# Altium PCB STB_SensorBoard.PcbDoc (part 1 of 4)
Units mm, origin at the board's own origin, x right, y up, seen from the top; angles counter-clockwise.
Board outline 370 x 359 mm, 2 copper layers (Top Layer, Bottom Layer), stack 1.569 mm thick; 224 components, 98 nets, 746 pads, 3353 vias.
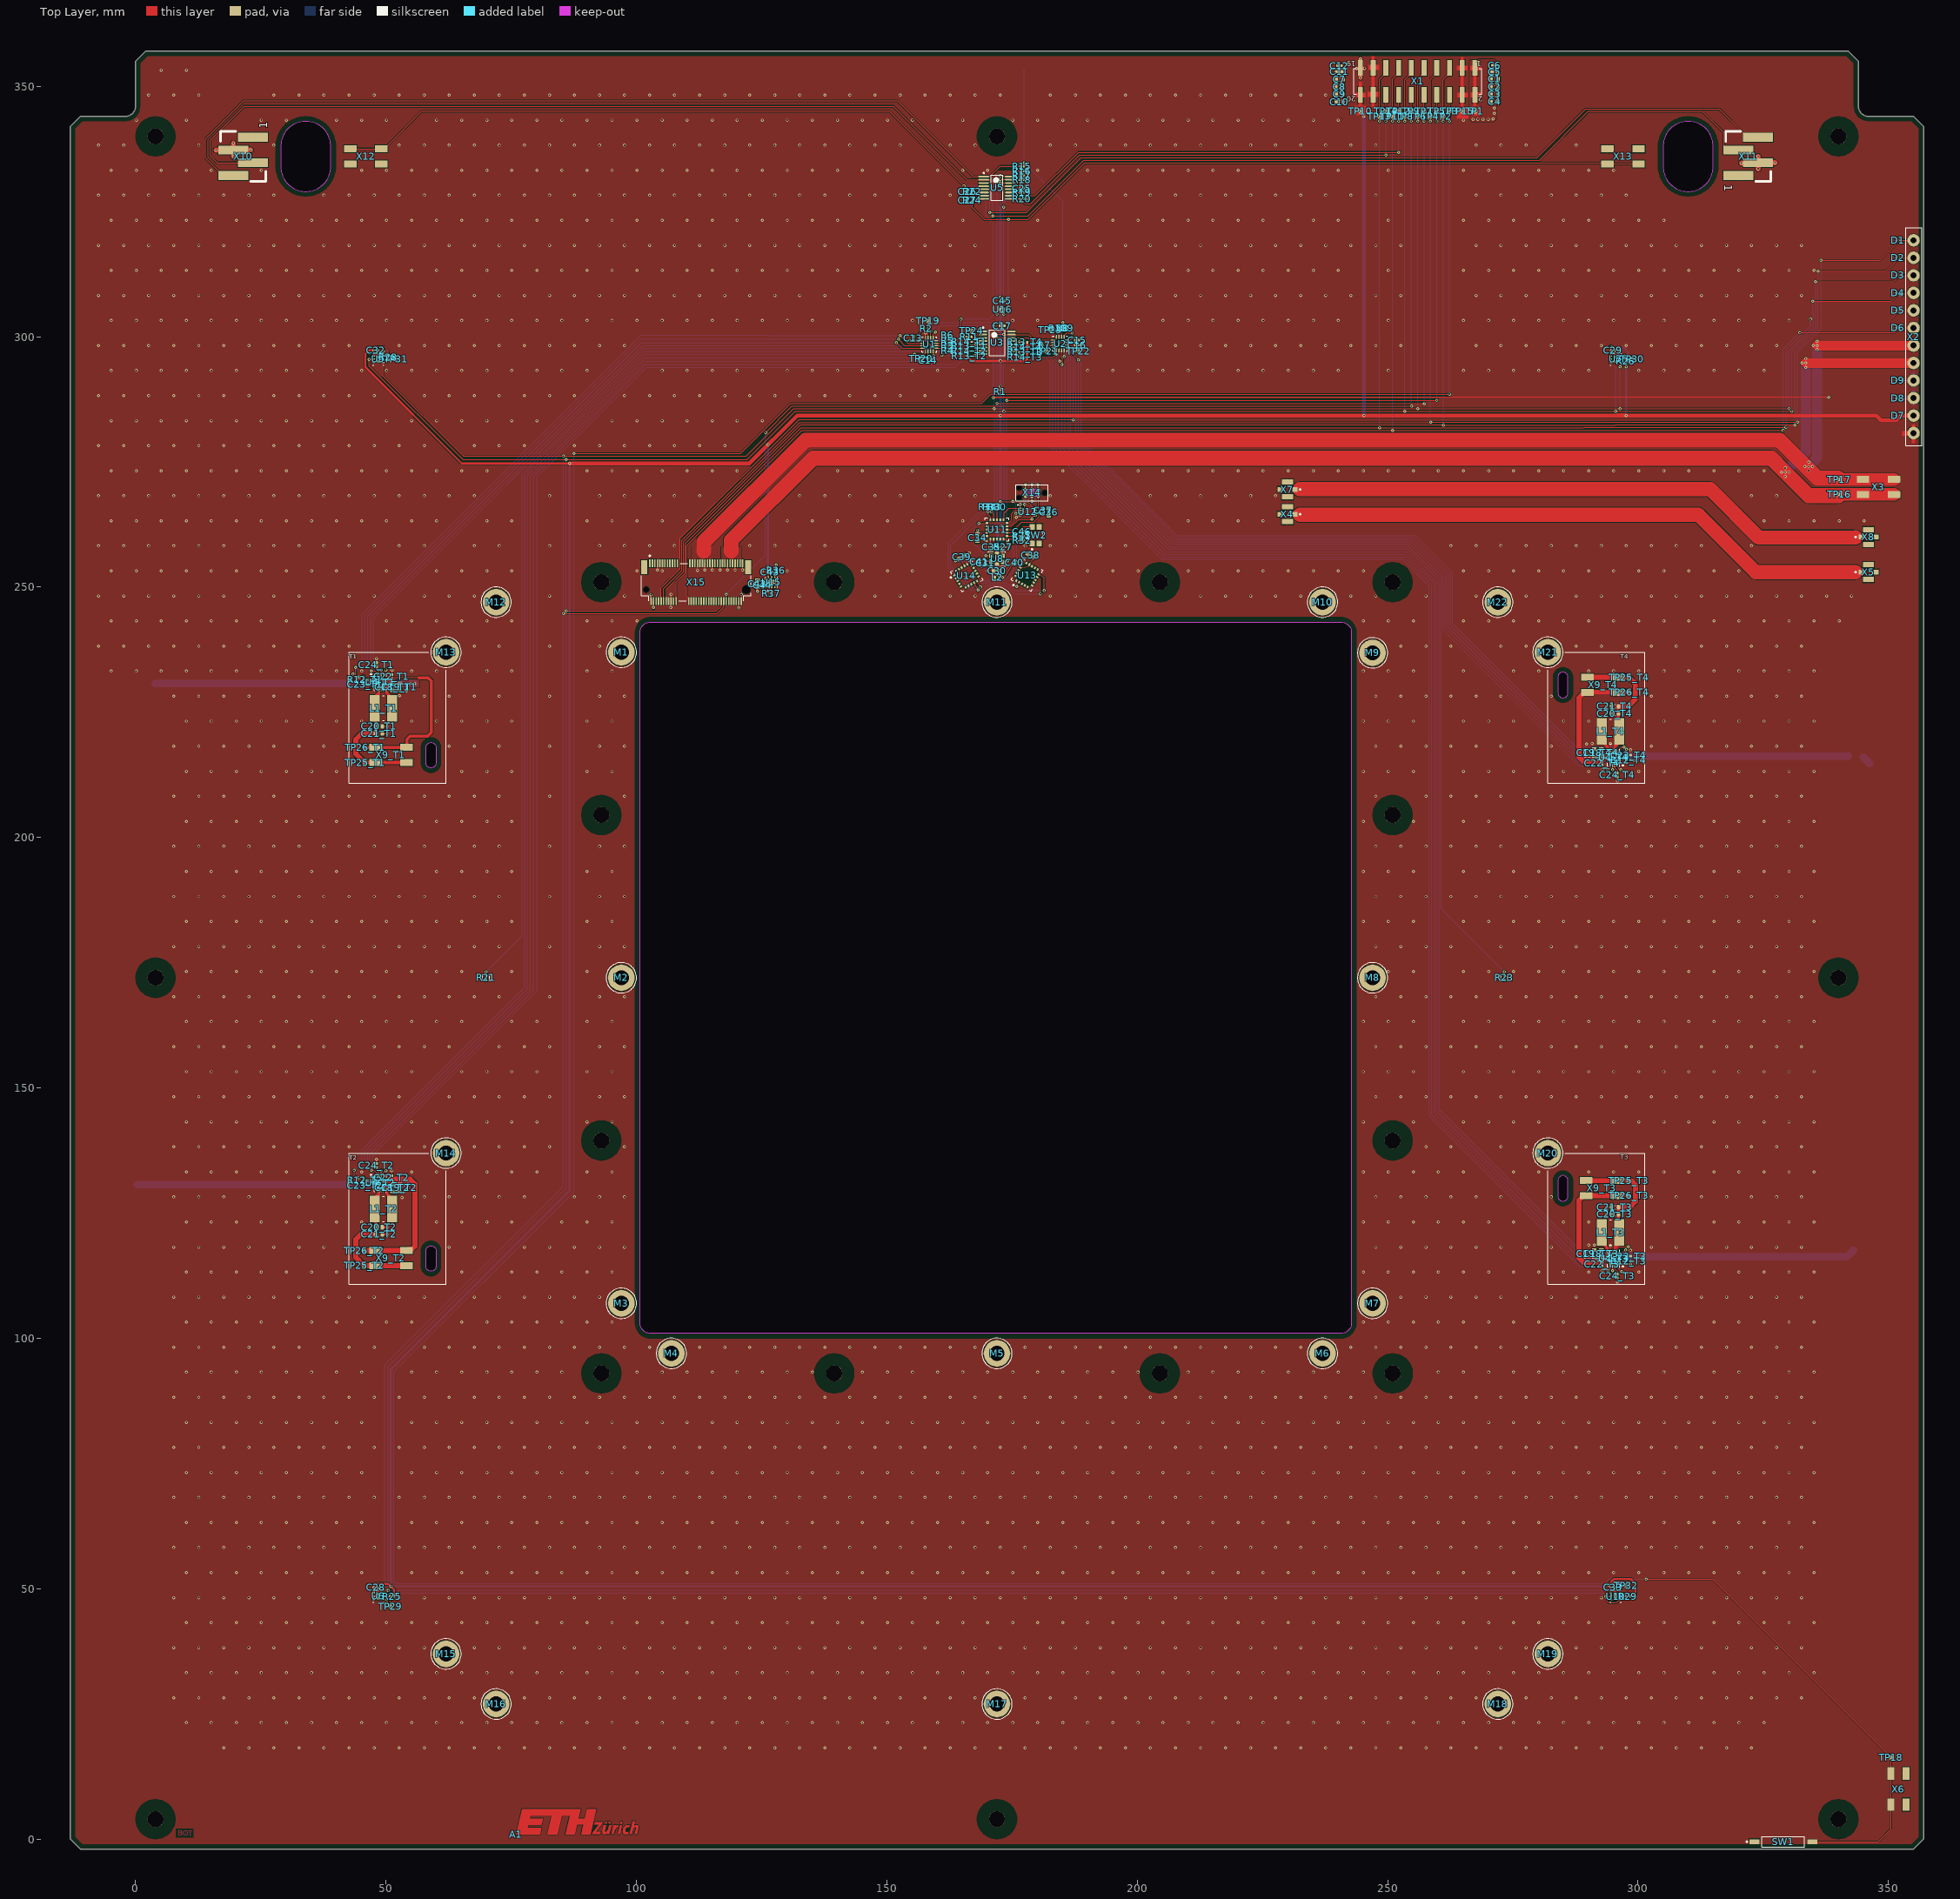
[diagram p0: Top Layer view]
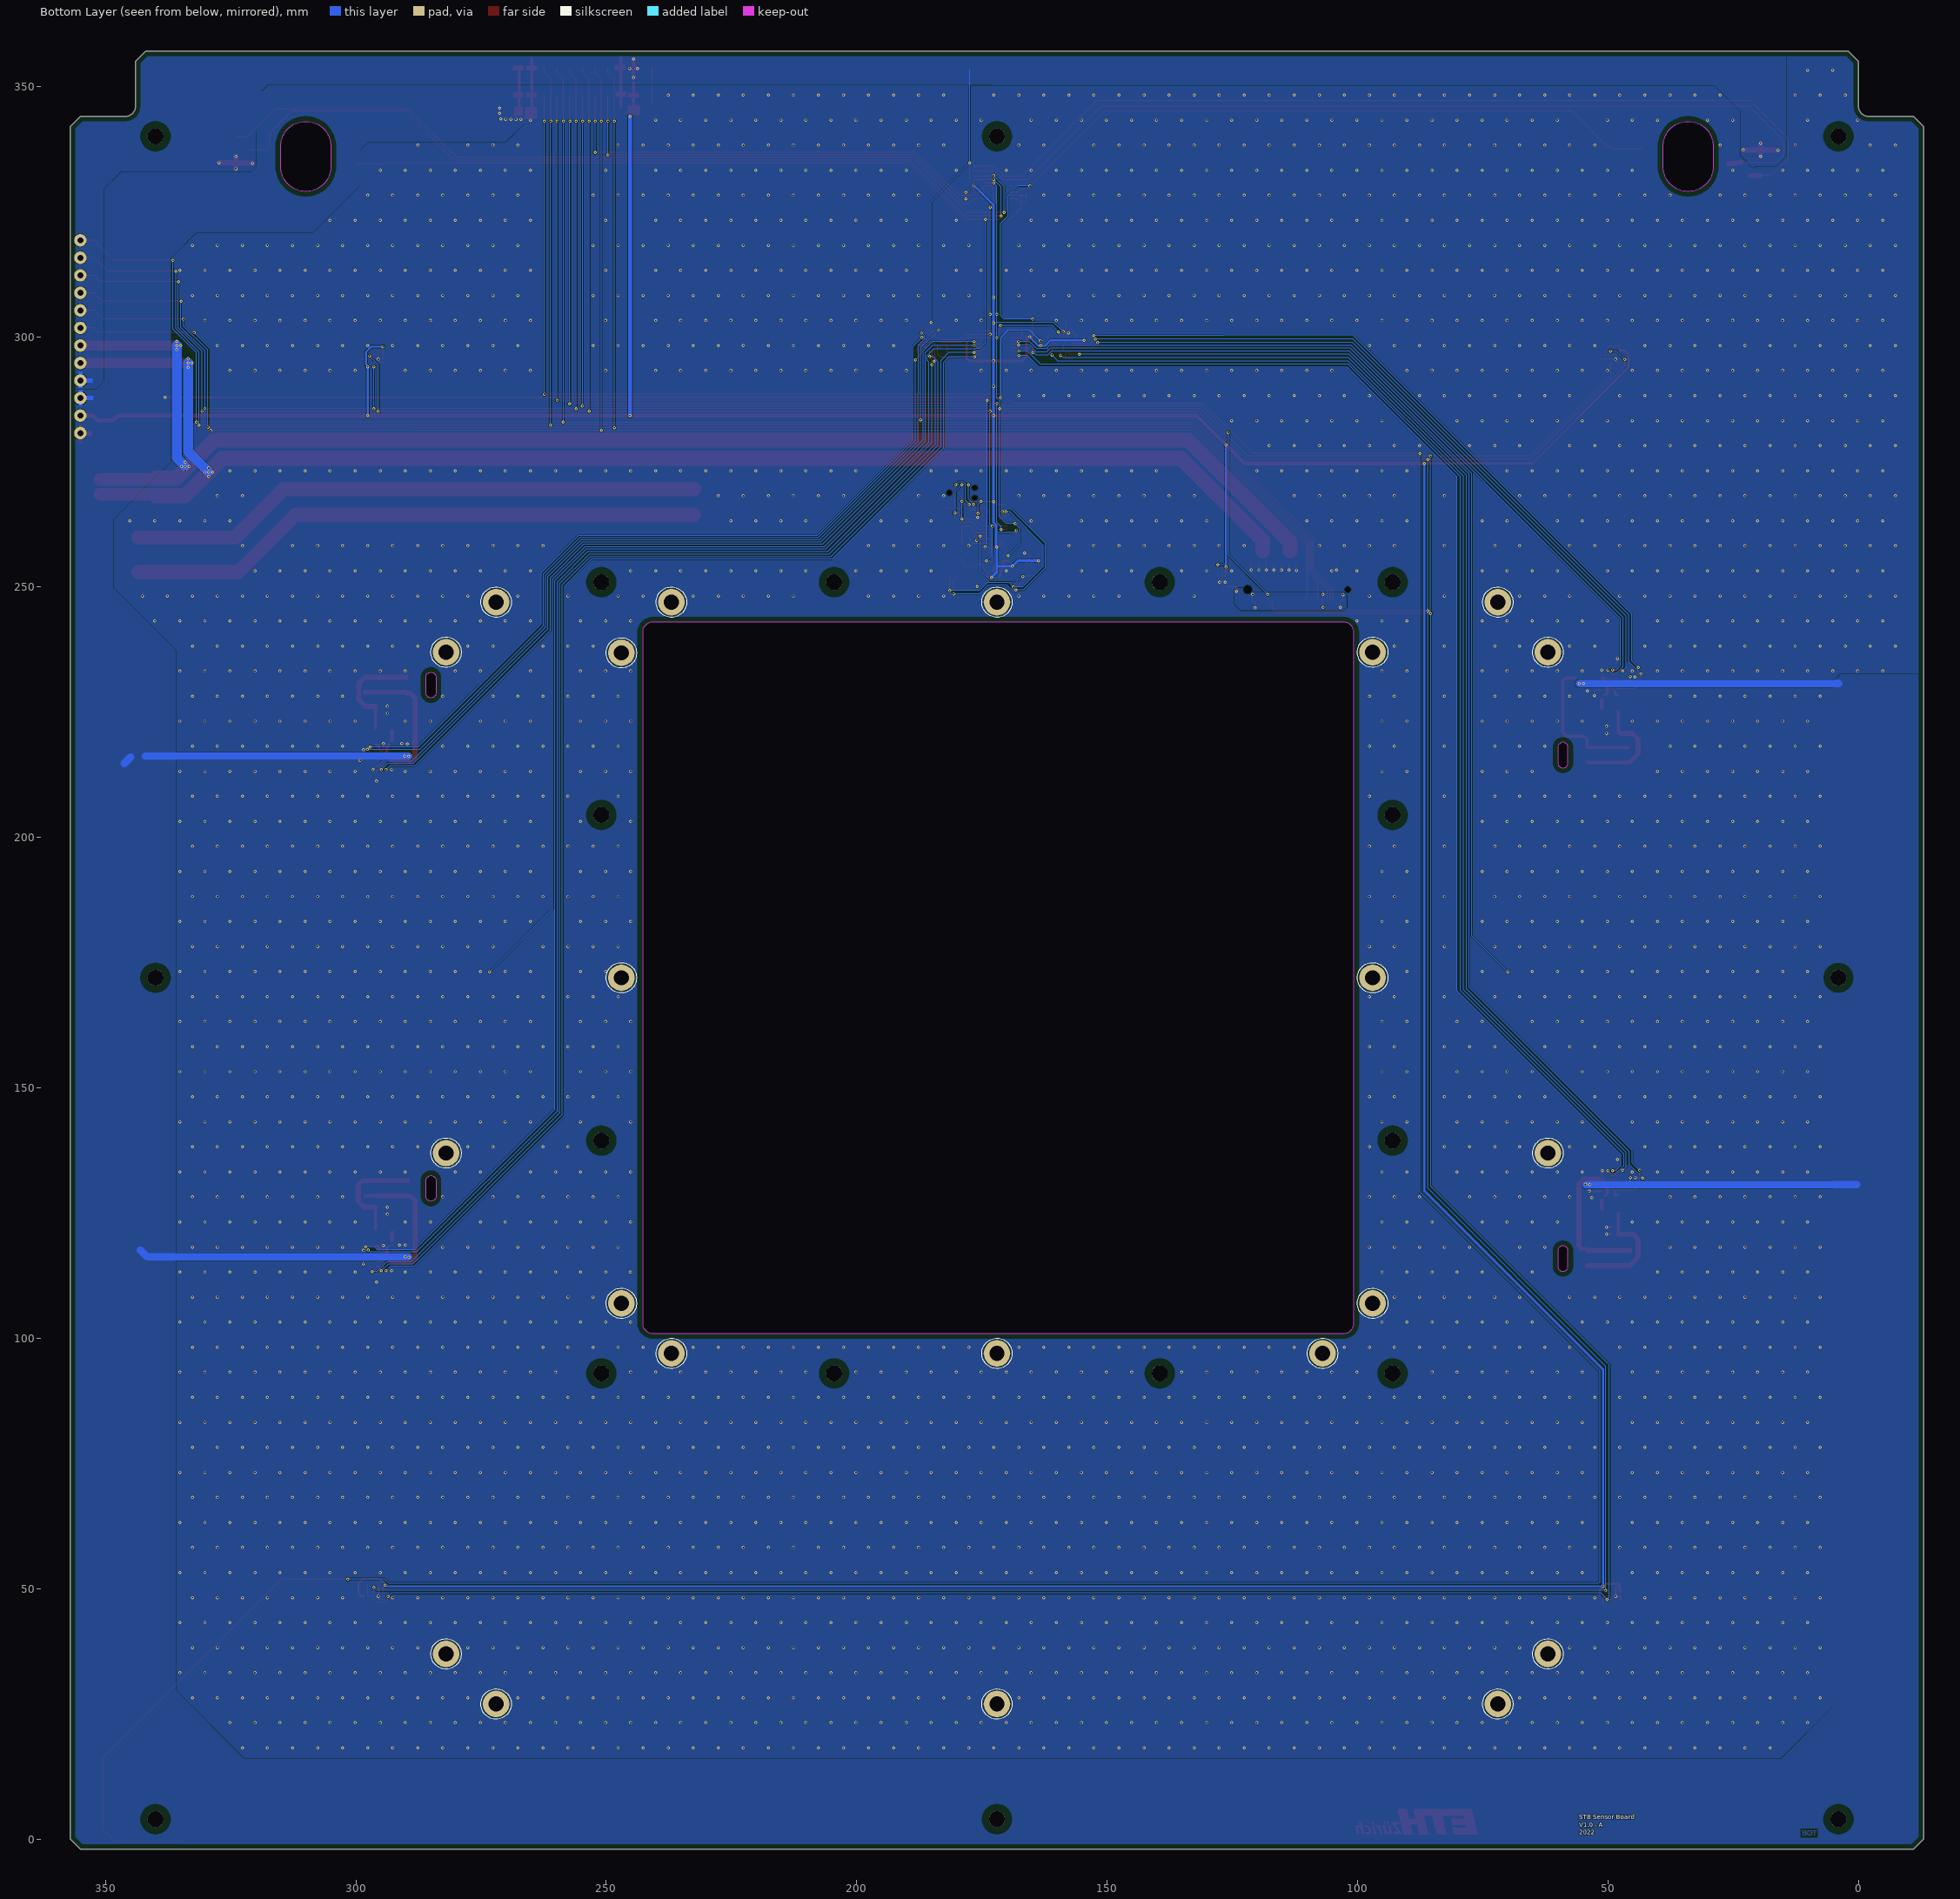
[diagram p1: Bottom Layer view, seen from below]

## Layer stack, top to bottom
Top Solder: solder mask 0.01, SM-001, Dk 4
Top Layer: signal copper 0.035
Dielectric 1: core 1.4986, Core-043, Dk 4.3
Bottom Layer: signal copper 0.035
Bottom Solder: solder mask 0.01, SM-001, Dk 4

## Board outline
-13,0 -13,333 -13,342 -11,344 -2,344 ccw(c-2,346) 0,346 0,355 2,357 342,357 344,355 344,346 ccw(c346,346) 346,344 355,344 357,342 357,331 357,13 357,0 355,-2 -11,-2
cut-out: 59,213.9 cw(c59,214.9) 58,214.9 58,218 cw(c59,218) 59,219 cw(c59,218) 60,218 60,214.9 cw(c59,214.9)
cut-out: 59,113.4 cw(c59,114.4) 58,114.4 58,117.5 cw(c59,117.5) 59,118.5 cw(c59,117.5) 60,117.5 60,114.4 cw(c59,114.4)
cut-out: 284,128.4 ccw(c285,128.4) 285,127.4 ccw(c285,128.4) 286,128.4 286,131.5 ccw(c285,131.5) 285,132.5 ccw(c285,131.5) 284,131.5
cut-out: 284,228.9 ccw(c285,228.9) 285,227.9 ccw(c285,228.9) 286,228.9 286,232 ccw(c285,232) 285,233 ccw(c285,232) 284,232
cut-out: 29,334 ccw(c34,334) 39,334 39,338 ccw(c34,338) 29,338
cut-out: 305,334 ccw(c310,334) 315,334 315,338 ccw(c310,338) 305,338
cut-out: 100.75,103 100.75,241 cw(c102.75,241) 102.75,243 240.75,243 cw(c240.75,241) 242.75,241 242.75,103 cw(c240.75,103) 240.75,101 102.75,101 cw(c102.75,103)

## Design rules (kind name [scope] priority, off if disabled: settings)
BoardOutlineClearance [All] p1: gap=1 ignorepadtopadclearanceinfootprint=FALSE
Clearance [All] p1: gap=0.125 ignorepadtopadclearanceinfootprint=FALSE
ComponentClearance [All] p1: gap=0.254 collisioncheckmode=3 verticalgap=2540 showdistances=FALSE
HoleSize [All] p1: absolutevalues=TRUE maxlimit=4 minlimit=0.025 maxpercent=80.000 minpercent=20.000
HoleToHoleClearance [All] p1: gap=0.1 allowstackedmicrovias=TRUE
MinimumSolderMaskSliver [All] p1: minsoldermaskwidth=0.1
PlaneClearance [All] p1: clearance=0.254
PlaneConnect [All] p1: planeconnectstyle=Direct reliefexpansion=0.508 reliefentries=4 reliefconductorwidth=0.254 reliefairgap=0.254
PolygonConnect [All] p1: thpad.connectstyle=Relief thpad.reliefconductorwidth=0.254 thpad.reliefentries=4 thpad.polygonreliefangle="90 Angle" thpad.airgapwidth=0.152 smdpad.connectstyle=Relief smdpad.reliefconductorwidth=0.152 smdpad.reliefentries=4 smdpad.polygonreliefangle="90 Angle" smdpad.airgapwidth=0.152 via.connectstyle=Direct via.reliefconductorwidth=0.254 via.reliefentries=4 via.polygonreliefangle="90 Angle" via.airgapwidth=0.254
RoomDefinition T3 [InComponentClass('T3')] p1: confinementstyle=ConfineIn formatcopy=TRUE lockcomponents=FALSE outline 300.632,109.97 300.632,133.97 282,133.97 282,109.97
RoomDefinition T4 [InComponentClass('T4')] p2: confinementstyle=ConfineIn formatcopy=TRUE lockcomponents=FALSE outline 300.632,210 300.632,234 282,234 282,210
RoomDefinition T1 [InComponentClass('T1')] p3: confinementstyle=ConfineIn formatcopy=FALSE lockcomponents=FALSE outline 43.368,237 43.368,213 62,213 62,237
RoomDefinition UID [InComponentClass('UID')] p4: confinementstyle=ConfineIn formatcopy=TRUE lockcomponents=FALSE outline 171.55,308.1 171.55,304.655 174.85,304.655 174.85,308.1
RoomDefinition T2 [InComponentClass('T2')] p5: confinementstyle=ConfineIn formatcopy=TRUE lockcomponents=FALSE outline 43.368,137 43.368,113 62,113 62,137
RoutingVias [All] p1: holewidth=0.3 width=0.604 viastyle="Through Hole" minholewidth=0.3 minwidth=0.604 maxholewidth=1 maxwidth=4
SilkToSilkClearance [All] p1: silktosilkclearance=0.1
SilkToSolderMaskClearance [IsPad] p1: minsilkscreentomaskgap=0.1 clearancetoexposedcopper=TRUE
SolderMaskExpansion [All] p1: expansion=0.05 istentingtop=FALSE
Width 50R [InNetClass('S50R')] p1: maxlimit=2.85 minlimit=2.85 preferedwidth=2.85 impedanceprofiledriven=TRUE impedanceprofileid={C73BAEDD-117D-4CBF-8A05-39FFC5465B4B} impedanceprofilevalue=50.000000 minimp=50.000000 maximp=50.000000 favimp=50.000000 checkconnectedcopper=TRUE
Width "Schematic Width Constraint_11" [InNet('PELTIER_VOS_T2')] p2: maxlimit=2.54 minlimit=0.635 preferedwidth=1
Width "Schematic Width Constraint_10" [InNet('NetL1_T2_1')] p3: maxlimit=2.54 minlimit=0.635 preferedwidth=1
Width "Schematic Width Constraint_9" [InNet('NetL1_T3_1')] p4: maxlimit=2.54 minlimit=0.635 preferedwidth=1
Width "Schematic Width Constraint_8" [InNet('NetL1_T4_1')] p5: maxlimit=2.54 minlimit=0.635 preferedwidth=1
Width "Schematic Width Constraint_7" [InNet('NetL1_T1_1')] p6: maxlimit=2.54 minlimit=0.635 preferedwidth=1
Width "Schematic Width Constraint_6" [InNet('PELTIER_VO1_T3')] p7: maxlimit=2.54 minlimit=0.635 preferedwidth=1
Width "Schematic Width Constraint_5" [InNet('PELTIER_VO1_T1')] p8: maxlimit=2.54 minlimit=0.635 preferedwidth=1
Width "Schematic Width Constraint_4" [InNet('PELTIER_VO1_T4')] p9: maxlimit=2.54 minlimit=0.635 preferedwidth=1
Width "Schematic Width Constraint_3" [InNet('PELTIER_VO1_T2')] p10: maxlimit=2.54 minlimit=0.635 preferedwidth=1
Width "Schematic Width Constraint_2" [InNet('PELTIER_VOS_T3')] p11: maxlimit=2.54 minlimit=0.635 preferedwidth=1
Width "Schematic Width Constraint_1" [InNet('PELTIER_VOS_T1')] p12: maxlimit=2.54 minlimit=0.635 preferedwidth=1
Width "Schematic Width Constraint" [InNet('PELTIER_VOS_T4')] p13: maxlimit=2.54 minlimit=0.635 preferedwidth=1
Width [All] p14: maxlimit=10 minlimit=0.152 preferedwidth=0.152
22 further rules are at their usual default settings.

## Classes and differential pairs
component class UID: C45 U16
component class FC: C25 C26 C27 R15 R16 R17 R18 R19 R20 R21 R22 R23 R24 U5 X10 X11 X12 X13
component class DUT: C42 C43 C44 M1 M2 M3 M4 M5 M6 M7 M8 M9 M10 M11 M12 M13 M14 M15 M16 M17 M18 M19 M20 M21 M22 R36 R37 U15 X15
channel class STB_PeltierDriver: T1 T2 T3 T4
net class S50R: NetX4_1 NetX7_1
component class TC: C13 C14 C15 C16 C17 R2 R3 R4 R5 R6 R7 R8 R9 R10 R11 TP19 TP20 TP21 TP22 TP23 TP24 U1 U2 U3
component class T4: C18_T4 C19_T4 C20_T4 C21_T4 C22_T4 C23_T4 C24_T4 L1_T4 R12_T4 R13_T4 R14_T4 TP25_T4 TP26_T4 U4_T4 X9_T4
component class T3: C18_T3 C19_T3 C20_T3 C21_T3 C22_T3 C23_T3 C24_T3 L1_T3 R12_T3 R13_T3 R14_T3 TP25_T3 TP26_T3 U4_T3 X9_T3
component class T2: C18_T2 C19_T2 C20_T2 C21_T2 C22_T2 C23_T2 C24_T2 L1_T2 R12_T2 R13_T2 R14_T2 TP25_T2 TP26_T2 U4_T2 X9_T2
component class T1: C18_T1 C19_T1 C20_T1 C21_T1 C22_T1 C23_T1 C24_T1 L1_T1 R12_T1 R13_T1 R14_T1 TP25_T1 TP26_T1 U4_T1 X9_T1
component class STB_SensorBoard: A1 C1 C2 C3 C4 C5 C6 C7 C8 C9 C10 C11 C12 D1 D2 D3 D4 D5 D6 D7 D8 D9 R1 SW1 TP1 TP2 TP3 TP4 TP5 TP6 TP7 TP8 TP9 TP10 TP11 TP12 TP13 TP14 TP15 TP16 TP17 TP18 X1 X2 X3 X4 X5 X6 X7 X8
component class SP: C34 C35 C36 C37 C38 C39 C40 C41 C46 R30 R31 R32 R33 R34 SW2 U11 U12 U13 U14 X14
component class LS: C28 C29 C30 C31 C32 C33 L2 R25 R26 R27 R28 R29 TP29 TP30 TP31 TP32 TP33 U6 U7 U8 U9 U10

## Components (designator, comment, footprint, x,y, rotation, side; value= is the part's Value field where it differs from the comment)
A1 "Logo ETH Zurich" eth-zurich_5mm 76,1 r0 top
C1 "10uF" CAPC0603(1608)100_L 271.375,351.425 r180 top
C2 "10uF" CAPC0603(1608)100_L 271.375,349.925 r180 top
C3 "10uF" CAPC0603(1608)100_L 271.375,348.425 r180 top
C4 "10uF" CAPC0603(1608)100_L 271.375,346.925 r180 top
C5 "1nF" CAPC1005X55X25ML5T10 271.375,352.892 r180 top value="1 nF"
C6 "100nF" CAPC1050X55X23LL05T13 271.364,354.195 r180 top
C7 "10uF" CAPC0603(1608)100_L 240.4,351.4 r0 top
C8 "10uF" CAPC0603(1608)100_L 240.35,349.9 r0 top
C9 "10uF" CAPC0603(1608)100_L 240.4,348.4 r0 top
C10 "10uF" CAPC0603(1608)100_L 240.4,346.9 r0 top
C11 "1nF" CAPC1005X55X25ML5T10 240.365,352.9 r0 top value="1 nF"
C12 "100nF" CAPC1050X55X23LL05T13 240.402,354.093 r0 top
C13 "100nF" CAPC1050X55X23LL05T13 155.318,299.681 r270 top
C14 "100nF" CAPC1050X55X23LL05T13 158.25,295.283 r90 top
C15 "100nF" CAPC1050X55X23LL05T13 188.023,299.29 r180 top
C16 "100nF" CAPC1050X55X23LL05T13 188.023,298.35 r180 top
C17 "100nF" CAPC1050X55X23LL05T13 173.05,302.141 r180 top
C18_T1 "10uF" CAPC0603(1608)100_L 51.343,230.061 r90 top (schematic designator C18)
C18_T2 "10uF" CAPC0603(1608)100_L 51.343,130.062 r90 top (schematic designator C18)
C18_T3 "10uF" CAPC0603(1608)100_L 292.657,116.908 r270 top (schematic designator C18)
C18_T4 "10uF" CAPC0603(1608)100_L 292.657,216.939 r270 top (schematic designator C18)
C19_T1 "10uF" CAPC0603(1608)100_L 52.754,230.062 r90 top (schematic designator C19)
C19_T2 "10uF" CAPC0603(1608)100_L 52.754,130.062 r90 top (schematic designator C19)
C19_T3 "10uF" CAPC0603(1608)100_L 291.246,116.908 r270 top (schematic designator C19)
C19_T4 "10uF" CAPC0603(1608)100_L 291.246,216.938 r270 top (schematic designator C19)
C20_T1 "10uF" CAPC0603(1608)100_L 48.613,222.2 r180 top (schematic designator C20)
C20_T2 "10uF" CAPC0603(1608)100_L 48.614,122.2 r180 top (schematic designator C20)
C20_T3 "10uF" CAPC0603(1608)100_L 295.387,124.77 r0 top (schematic designator C20)
C20_T4 "10uF" CAPC0603(1608)100_L 295.387,224.8 r0 top (schematic designator C20)
C21_T1 "10uF" CAPC0603(1608)100_L 48.613,220.796 r180 top (schematic designator C21)
C21_T2 "10uF" CAPC0603(1608)100_L 48.614,120.796 r180 top (schematic designator C21)
C21_T3 "10uF" CAPC0603(1608)100_L 295.387,126.174 r0 top (schematic designator C21)
C21_T4 "10uF" CAPC0603(1608)100_L 295.387,226.204 r0 top (schematic designator C21)
C22_T1 "100nF" CAPC1050X55X23LL05T13 51.191,232.118 r270 top (schematic designator C22)
C22_T2 "100nF" CAPC1050X55X23LL05T13 51.191,132.118 r270 top (schematic designator C22)
C22_T3 "100nF" CAPC1050X55X23LL05T13 292.809,114.852 r90 top (schematic designator C22)
C22_T4 "100nF" CAPC1050X55X23LL05T13 292.809,214.882 r90 top (schematic designator C22)
C23_T1 "100nF" CAPC1050X55X23LL05T13 45.9,230.573 r0 top (schematic designator C23)
C23_T2 "100nF" CAPC1050X55X23LL05T13 45.9,130.573 r0 top (schematic designator C23)
C23_T3 "100nF" CAPC1050X55X23LL05T13 298.1,116.397 r180 top (schematic designator C23)
C23_T4 "100nF" CAPC1050X55X23LL05T13 298.1,216.427 r180 top (schematic designator C23)
C24_T1 "100nF" CAPC1050X55X23LL05T13 48.136,234.526 r270 top (schematic designator C24)
C24_T2 "100nF" CAPC1050X55X23LL05T13 48.136,134.527 r270 top (schematic designator C24)
C24_T3 "100nF" CAPC1050X55X23LL05T13 295.864,112.444 r90 top (schematic designator C24)
C24_T4 "100nF" CAPC1050X55X23LL05T13 295.864,212.474 r90 top (schematic designator C24)
C25 "100nF" CAPC1050X55X23LL05T13 177.003,329.573 r180 top
C26 "100pF" CAPC1005X56X25LL10T15 166.099,328.994 r90 top
C27 "100pF" CAPC1005X56X25LL10T15 166.099,327.25 r90 top
C28 "100nF" CAPC1050X55X23LL05T13 48,50.25 r180 top
C29 "100nF" CAPC1050X55X23LL05T13 295,297.25 r180 top
C30 "1uF" CAPC1608X90X35LL15T15 172,253.2 r180 top
C31 "100nF" CAPC1050X55X23LL05T13 169.667,254.797 r90 top
C32 "100nF" CAPC1050X55X23LL05T13 48,297.25 r180 top
C33 "100nF" CAPC1050X55X23LL05T13 295,50.25 r180 top
C34 "1uF" CAPC1608X90X35LL15T15 168.1,259.884 r90 top
C35 "100nF" CAPC1050X55X23LL05T13 170.928,258.013 r0 top
C36 "1uF" CAPC1608X90X35LL15T15 182.347,264.98 r90 top
C37 "100nF" CAPC1050X55X23LL05T13 181.28,265.276 r90 top
C38 "1uF" CAPC1608X90X35LL15T15 178.691,256.344 r330 top
C39 "1uF" CAPC1608X90X35LL15T15 165,256.019 r210 top
C40 "100nF" CAPC1050X55X23LL05T13 175.488,254.933 r240 top
C41 "100nF" CAPC1050X55X23LL05T13 168.447,255.074 r300 top
C42 "10uF" CAPC0603(1608)100_L 124.178,250.672 r270 top
C43 "100nF" CAPC1050X55X23LL05T13 126.694,252.998 r180 top
C44 "100nF" CAPC1050X55X23LL05T13 125.247,250.415 r270 top
C45 "100nF" CAPC1050X55X23LL05T13 173.075,307.172 r180 top
C46 "100nF" CAPC1050X55X23LL05T13 177.002,261.064 r180 top
D1 "ESD9R3.3ST5G" ONSC-SOD-923-2-514AB-01_V 351.916,319.257 r180 top
D2 "ESD9R3.3ST5G" ONSC-SOD-923-2-514AB-01_V 351.886,315.757 r180 top
D3 "ESD9R3.3ST5G" ONSC-SOD-923-2-514AB-01_V 351.916,312.257 r180 top
D4 "ESD9R3.3ST5G" ONSC-SOD-923-2-514AB-01_V 351.886,308.757 r180 top
D5 "ESD9R3.3ST5G" ONSC-SOD-923-2-514AB-01_V 351.916,305.257 r180 top
D6 "ESD9R3.3ST5G" ONSC-SOD-923-2-514AB-01_V 351.916,301.757 r180 top
D7 "ESD9R3.3ST5G" ONSC-SOD-923-2-514AB-01_V 351.896,284.257 r180 top
D8 "ESD9C5.0ST5G" ONSC-SOD-923-2-514AB-01_V 351.886,287.747 r180 top
D9 "ESD9X12ST5G" ONSC-SOD-923-2-514AA-01_V 351.886,291.257 r180 top
L1_T1 "744042001" WE-TPC-4818-M 49.488,225.832 r180 top value="1 µH" (schematic designator L1)
L1_T2 "744042001" WE-TPC-4818-M 49.489,125.832 r180 top value="1 µH" (schematic designator L1)
L1_T3 "744042001" WE-TPC-4818-M 294.512,121.138 r0 top value="1 µH" (schematic designator L1)
L1_T4 "744042001" WE-TPC-4818-M 294.512,221.168 r0 top value="1 µH" (schematic designator L1)
L2 "LI0402E300R-10" INDC1005X07L 172,251.935 r0 top
M1 "9774015243R" 9774015243R 97,237 r0 top locked
M2 "9774015243R" 9774015243R 97,172 r0 top locked
M3 "9774015243R" 9774015243R 97,107 r0 top locked
M4 "9774015243R" 9774015243R 107,97 r0 top locked
M5 "9774015243R" 9774015243R 172,97 r0 top locked
M6 "9774015243R" 9774015243R 237,97 r0 top locked
M7 "9774015243R" 9774015243R 247,107 r0 top locked
M8 "9774015243R" 9774015243R 247,172 r0 top locked
M9 "9774015243R" 9774015243R 247,236.877 r0 top locked
M10 "9774015243R" 9774015243R 237,247 r0 top locked
M11 "9774015243R" 9774015243R 172,247 r0 top locked
M12 "9774015243R" 9774015243R 72,247 r0 top
M13 "9774015243R" 9774015243R 62,237 r0 top
M14 "9774015243R" 9774015243R 62,137 r0 top
M15 "9774015243R" 9774015243R 62,37 r0 top
M16 "9774015243R" 9774015243R 72,27 r0 top
M17 "9774015243R" 9774015243R 172,27 r0 top
M18 "9774015243R" 9774015243R 272,27 r0 top
M19 "9774015243R" 9774015243R 282,37 r0 top
M20 "9774015243R" 9774015243R 282,137 r0 top
M21 "9774015243R" 9774015243R 282,237 r0 top
M22 "9774015243R" 9774015243R 272,247 r0 top
R1 "10k" RESC1005X40X25LL05T05 172.679,289 r90 top value="10 kOhm"
R2 "10k" RESC1005X40X25LL05T05 157.85,301.6 r180 top value="10 kOhm"
R3 "100k" RESC1005X40X25LL05T10 162.152,298.2 r180 top value="100 kOhm"
R4 "100k" RESC1005X40X25LL05T10 162.152,297.175 r180 top value="100 kOhm"
R5 "200k" RESC1005X40X25LL05T10 162.152,299.2 r180 top value="200 kOhm"